# Altium PCB Amplifier.PcbDoc
Units mil, origin at the board's own origin, x right, y up, seen from the top; angles counter-clockwise.
Board outline 2140 x 2155 mil, 2 copper layers (Top Layer, Bottom Layer); 173 components, 119 nets, 471 pads, 50 vias.
Unrouted connection lines stored in the file: 32.
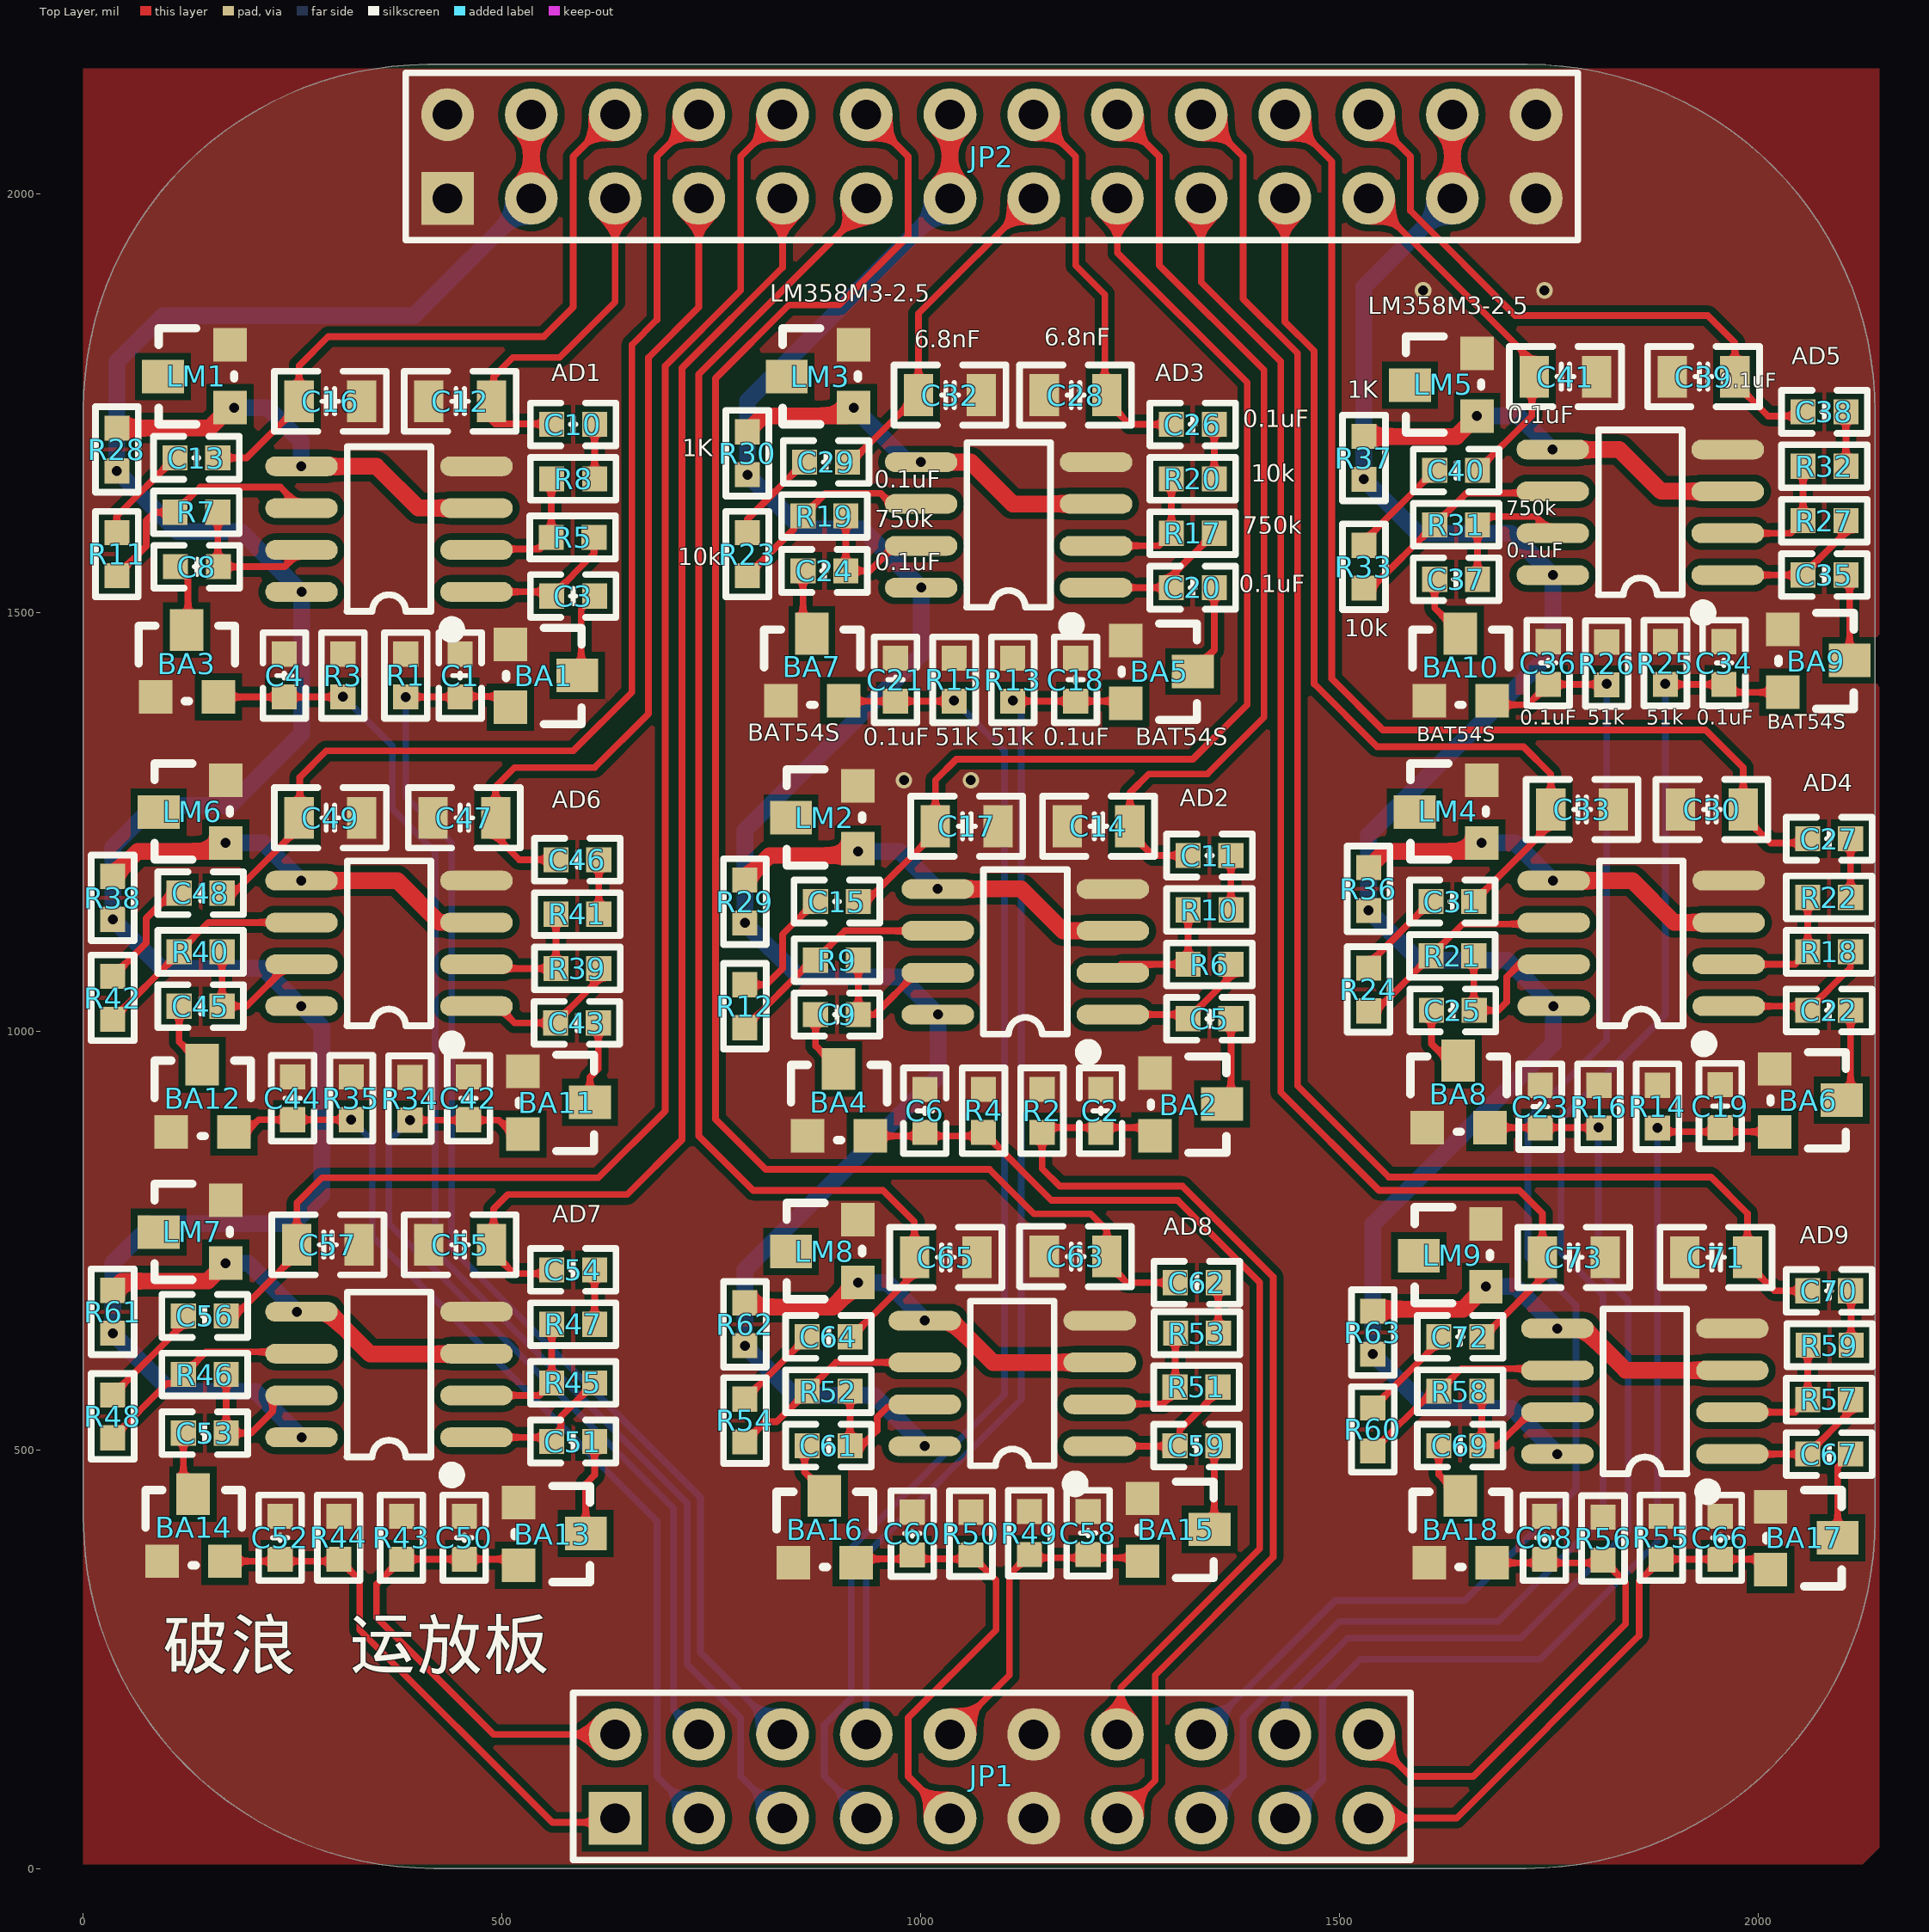
[diagram p0: Top Layer view]
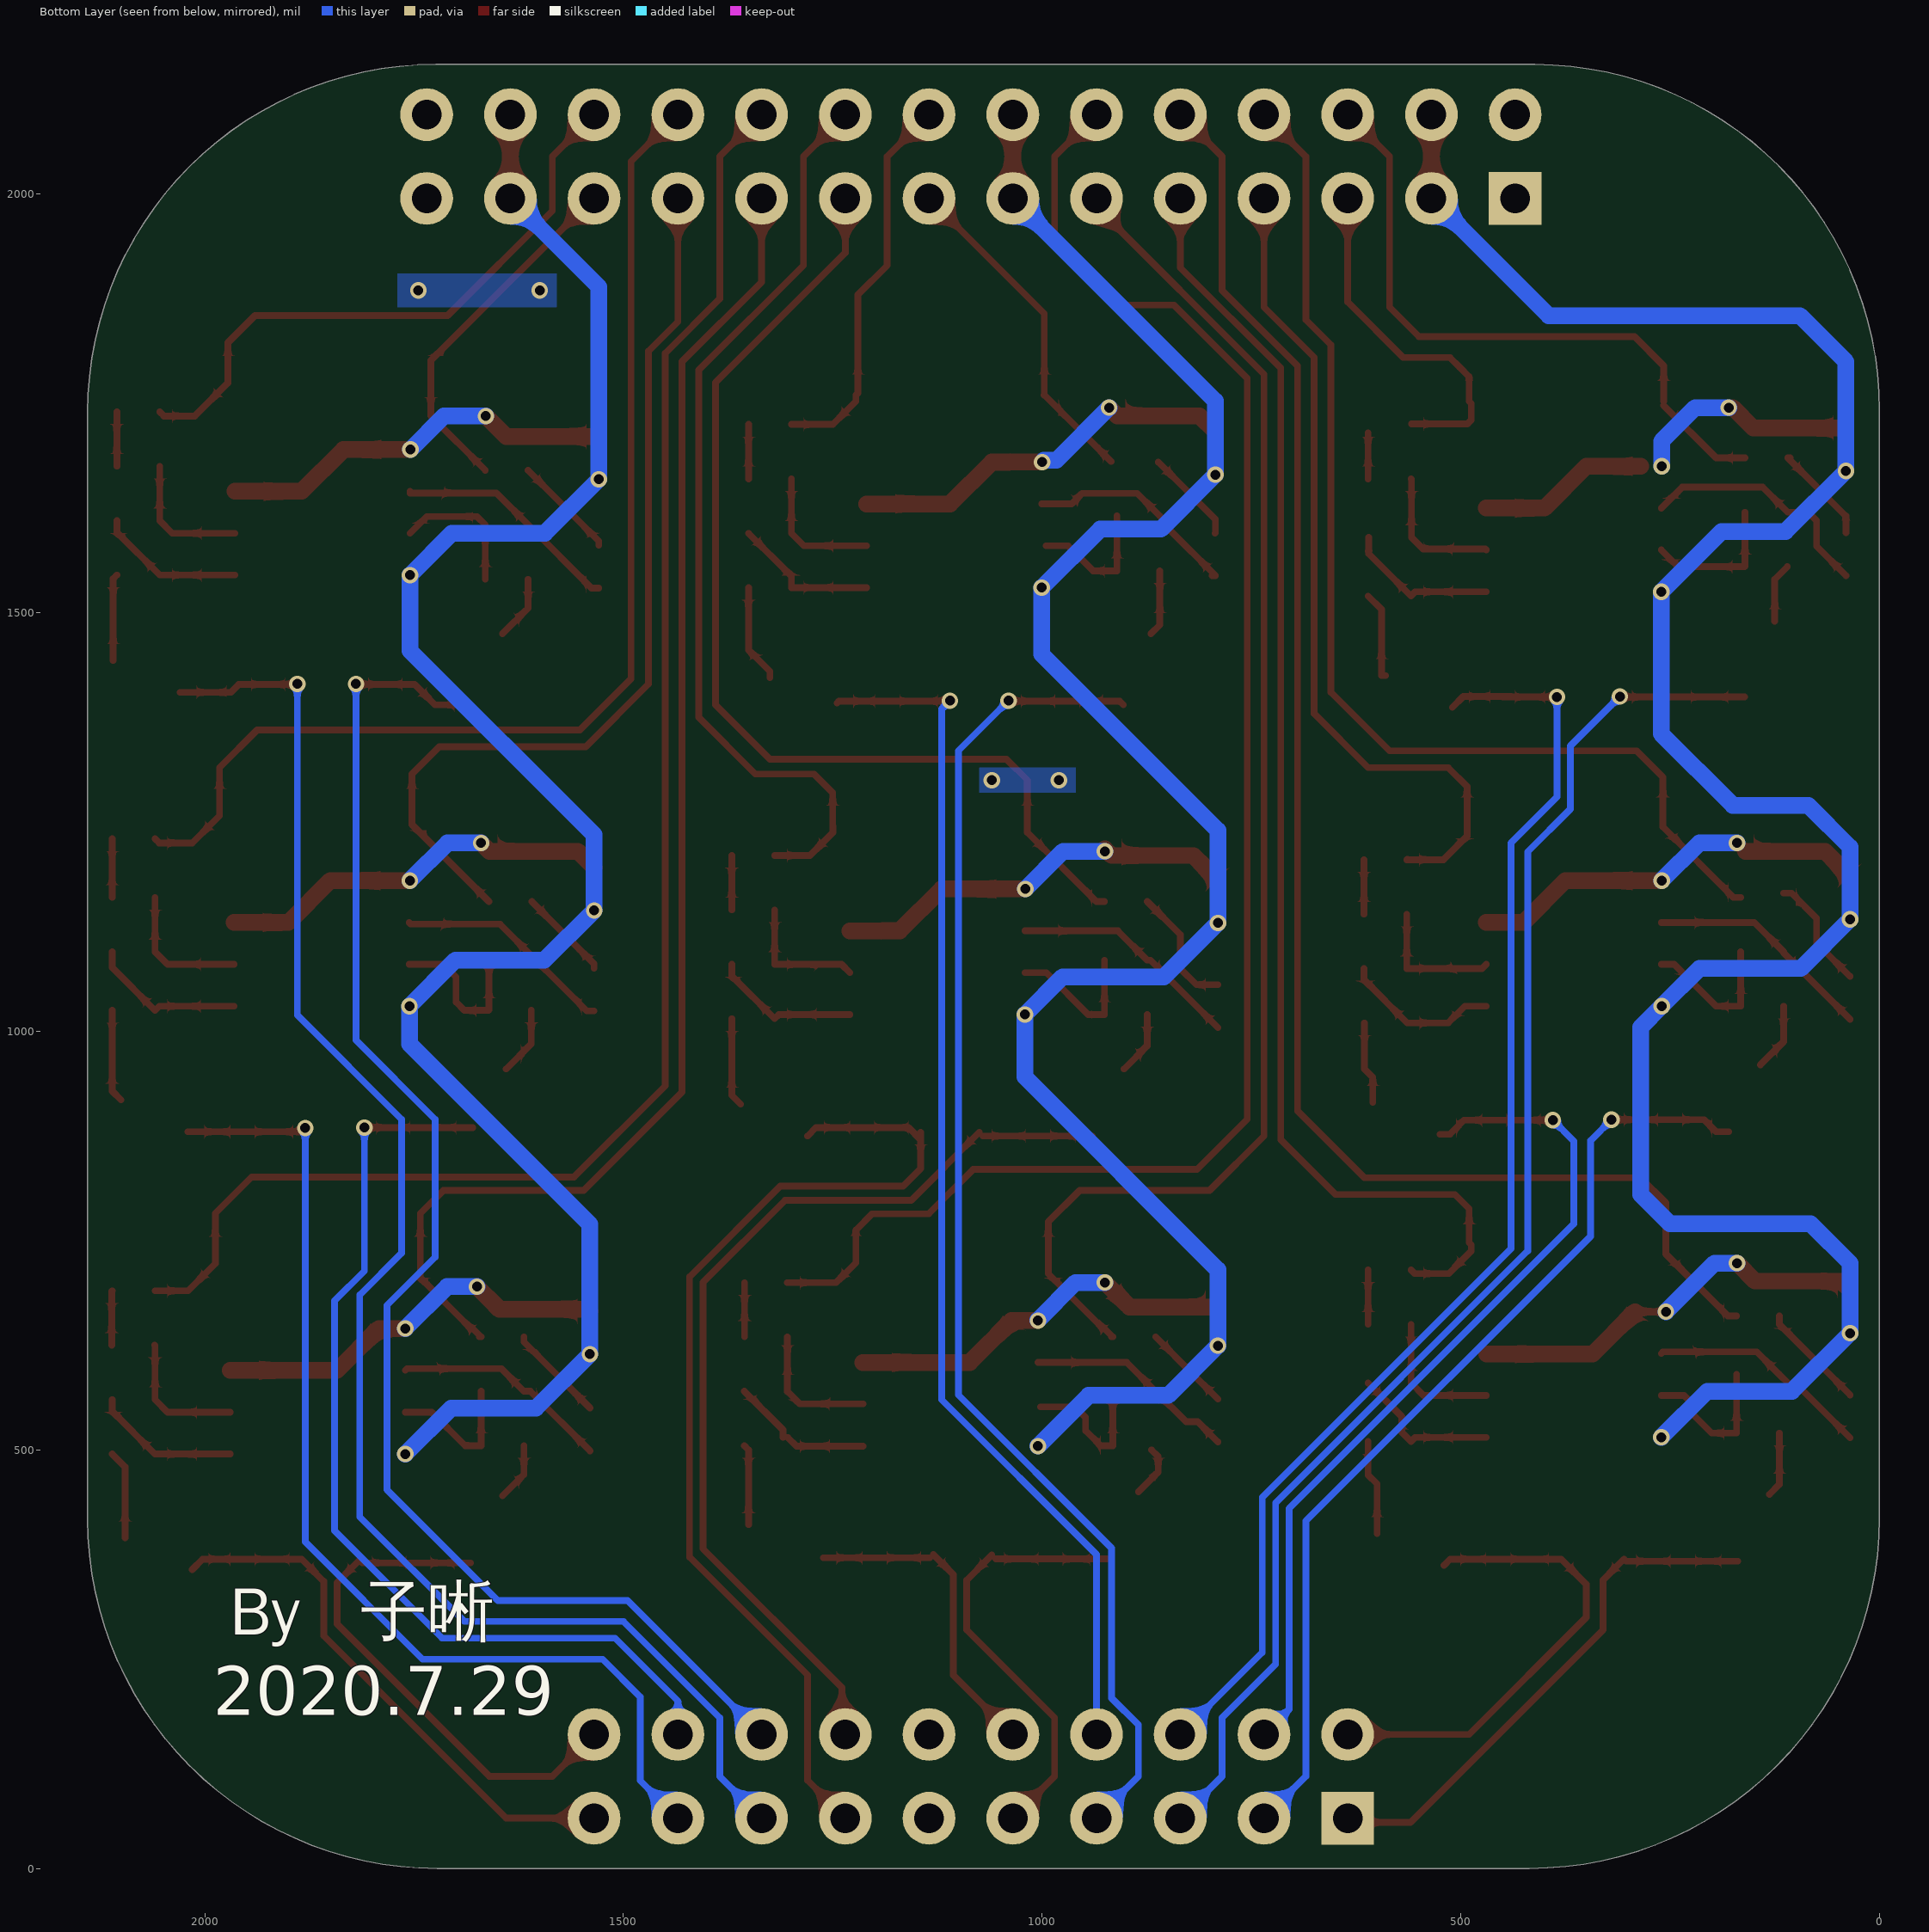
[diagram p1: Bottom Layer view, seen from below]

## Layer stack, top to bottom
Top Solder: solder mask 0.4, Solder Resist, Dk 3.5
Top Layer: signal copper 1.4
Dielectric 1: dielectric 12.6, FR-4, Dk 4.8
Bottom Layer: signal copper 1.4
Bottom Solder: solder mask 0.4, Solder Resist, Dk 3.5

## Board outline
0,418.21 0,1742.84 0,1742.01 cw(c412.16,1742.84) 411.33,2155 412.16,2155 1724.07,2155 cw(c1724.07,1739.06) 2140,1739.06 2140,417.48 cw(c1722.52,417.48) 1722.52,0 418.21,0 cw(c418.21,418.21)

## Design rules (kind name [scope] priority, off if disabled: settings)
Clearance [All] p1: gap=8 ignorepadtopadclearanceinfootprint=FALSE except(0: Arc-Hole Track-Hole SMDPad-Hole THPad-Hole Via-Hole Fill-Hole Poly-Hole Region-Hole Text-Hole)
ComponentClearance [All] p1: gap=10 collisioncheckmode=3 verticalgap=0 showdistances=FALSE
PlaneConnect [All] p1: planeconnectstyle=Direct reliefexpansion=20 reliefentries=4 reliefconductorwidth=10 reliefairgap=10
PolygonConnect [All] p1: connectstyle=Direct reliefconductorwidth=10 reliefentries=4 polygonreliefangle="90 Angle" airgapwidth=10
RoutingVias [All] p1: holewidth=11.81 width=19.68 viastyle="Through Hole" minholewidth=7.87 minwidth=7.87 maxholewidth=19.68 maxwidth=23.62
SilkToSilkClearance [All] p1: silktosilkclearance=0
SilkToSolderMaskClearance [IsPad] p1: minsilkscreentomaskgap=0 clearancetoexposedcopper=TRUE
SolderMaskExpansion [All] p1: expansion=4
Width [All] p1: maxlimit=20 minlimit=6 preferedwidth=8 minimp=50.000000 maximp=50.000000 favimp=50.000000
26 further rules are at their usual default settings.

## Classes and differential pairs
component class Amplifier_2: AD7 AD8 AD9 BA13 BA14 BA15 BA16 BA17 BA18 C50 C51 C52 C53 C54 C55 C56 C57 C58 C59 C60 C61 C62 C63 C64 C65 C66 C67 C68 C69 C70 C71 C72 C73 JP1 JP2 LM7 LM8 LM9 R43 R44 R45 R46 R47 R48 R49 R50 R51 R52 R53 R54 R55 R56 R57 R58 R59 R60 R61 R62 R63
component class Amplifier_1: AD1 AD2 AD3 AD4 AD5 AD6 AD8302 BA1 BA2 BA3 BA4 BA5 BA6 BA7 BA8 BA9 BA10 BA11 BA12 C1 C2 C3 C4 C5 C6 C8 C9 C10 C11 C12 C13 C14 C15 C16 C17 C18 C19 C20 C21 C22 C23 C24 C25 C26 C27 C28 C29 C30 C31 C32 C33 C34 C35 C36 C37 C38 C39 C40 C41 C42 C43 C44 C45 C46 C47 C48 C49 LM1 LM2 LM3 LM4 LM5 LM6 R1 R2 R3 R4 R5 R6 R7 R8 R9 R10 R11 R12 R13 R14 R15 R16 R17 R18 R19 R20 R21 R22 R23 R24 R25 R26 R27 R28 R29 R30 R31 R32 R33 R34 R35 R36 R37 R38 R39 R40 R41 R42

## Components (designator, comment, footprint, x,y, rotation, side; value= is the part's Value field where it differs from the comment)
AD1 "AD8302" SOIC-8 365,1600 r180 top
AD2 "AD8302" SOIC-8 1125,1095 r180 top
AD3 "AD8302" SOIC-8 1105,1605 r180 top
AD4 "AD8302" SOIC-8 1860.51,1105 r180 top
AD5 "AD8302" SOIC-8 1859.41,1620 r180 top
AD6 "AD8302" SOIC-8 365,1105 r180 top
AD7 "AD8302" SOIC-8 365,590 r180 top
AD8 "AD8302" SOIC-8 1109.41,579.41 r180 top
AD9 "AD8302" SOIC-8 1865,570 r180 top
BA1 "BAT54S" SOT23 509.37,1466.88 r270 top
BA2 "BAT54S" SOT23 1279.37,954.88 r270 top
BA3 "BAT54S" SOT23 81.3,1398.78 r0 top
BA4 "BAT54S" SOT23 860.12,874.37 r0 top
BA5 "BAT54S" SOT23 1244.37,1471.88 r270 top
BA6 "BAT54S" SOT23 2019.37,959.88 r270 top
BA7 "BAT54S" SOT23 828.12,1394.37 r0 top
BA8 "BAT54S" SOT23 1600.12,884.37 r0 top
BA9 "BAT54S" SOT23 2028.78,1484.88 r270 top
BA10 "BAT54S" SOT23 1602.53,1394.37 r0 top
BA11 "BAT54S" SOT23 524.37,956.88 r270 top
BA12 "BAT54S" SOT23 100.12,879.37 r0 top
BA13 "BAT54S" SOT23 519.37,441.88 r270 top
BA14 "BAT54S" SOT23 89.3,366.37 r0 top
BA15 "BAT54S" SOT23 1264.37,446.88 r270 top
BA16 "BAT54S" SOT23 843.12,364.37 r0 top
BA17 "BAT54S" SOT23 2014.37,436.88 r270 top
BA18 "BAT54S" SOT23 1602.53,364.37 r0 top
C1 "0.1uF" "C 0603_L" 450,1425 r270 top
C2 "0.1uF" "C 0603_L" 1215,905 r270 top
C3 "0.1uF" "C 0603_L" 585,1520 r0 top
C4 "0.1uF" "C 0603_L" 240,1425 r270 top
C5 "0.1uF" "C 0603_L" 1345,1015 r0 top
C6 "0.1uF" "C 0603_L" 1005,905 r270 top
C8 "0.1uF" "C 0603_L" 135.59,1555 r180 top
C9 "0.1uF" "C 0603_L" 900,1020 r180 top
C10 "0.1uF" "C 0603_L" 585,1725 r0 top
C11 "0.1uF" "C 0603_L" 1345,1210 r0 top
C12 "6.8nF" "C 0805_L" 450,1752.6 r0 top
C13 "0.1uF" "C 0603_L" 135,1685 r0 top
C14 "6.8nF" "C 0805_L" 1212.4,1245.01 r0 top
C15 "0.1uF" "C 0603_L" 900,1155 r0 top
C16 "6.8nF" "C 0805_L" 295,1752.6 r180 top
C17 "6.8nF" "C 0805_L" 1055,1245 r180 top
C18 "0.1uF" "C 0603_L" 1185,1420 r270 top
C19 "0.1uF" "C 0603_L" 1955,910.59 r270 top
C20 "0.1uF" "C 0603_L" 1325,1530 r0 top
C21 "0.1uF" "C 0603_L" 970,1420 r270 top
C22 "0.1uF" "C 0603_L" 2085,1025 r0 top
C23 "0.1uF" "C 0603_L" 1740,910 r270 top
C24 "0.1uF" "C 0603_L" 885,1550 r180 top
C25 "0.1uF" "C 0603_L" 1635.59,1025 r180 top
C26 "0.1uF" "C 0603_L" 1325,1725 r0 top
C27 "0.1uF" "C 0603_L" 2085,1230 r0 top
C28 "6.8nF" "C 0805_L" 1185,1760 r0 top
C29 "0.1uF" "C 0603_L" 887,1680 r0 top
C30 "6.8nF" "C 0805_L" 1945,1265 r0 top
C31 "0.1uF" "C 0603_L" 1635,1155 r0 top
C32 "6.8nF" "C 0805_L" 1035,1760 r180 top
C33 "6.8nF" "C 0805_L" 1790,1265 r180 top
C34 "0.1uF" "C 0603_L" 1959.41,1440 r270 top
C35 "0.1uF" "C 0603_L" 2079.41,1545 r0 top
C36 "0.1uF" "C 0603_L" 1749.41,1440 r270 top
C37 "0.1uF" "C 0603_L" 1639.41,1540 r180 top
C38 "0.1uF" "C 0603_L" 2079.41,1740 r0 top
C39 "6.8nF" "C 0805_L" 1935,1782 r0 top
C40 "0.1uF" "C 0603_L" 1639.41,1670 r0 top
C41 "6.8nF" "C 0805_L" 1770,1782 r180 top
C42 "0.1uF" "C 0603_L" 460,920 r270 top
C43 "0.1uF" "C 0603_L" 589.41,1010 r0 top
C44 "0.1uF" "C 0603_L" 250,920 r270 top
C45 "0.1uF" "C 0603_L" 140,1030 r180 top
C46 "0.1uF" "C 0603_L" 590,1205 r0 top
C47 "6.8nF" "C 0805_L" 455,1255 r0 top
C48 "0.1uF" "C 0603_L" 140,1165 r0 top
C49 "6.8nF" "C 0805_L" 295,1255 r180 top
C50 "0.1uF" "C 0603_L" 455,395 r270 top
C51 "0.1uF" "C 0603_L" 585,510 r0 top
C52 "0.1uF" "C 0603_L" 235,395 r270 top
C53 "0.1uF" "C 0603_L" 145,520 r180 top
C54 "0.1uF" "C 0603_L" 585,715 r0 top
C55 "6.8nF" "C 0805_L" 450,745 r0 top
C56 "0.1uF" "C 0603_L" 145,660 r0 top
C57 "6.8nF" "C 0805_L" 292.01,745 r180 top
C58 "0.1uF" "C 0603_L" 1200,400.59 r270 top
C59 "0.1uF" "C 0603_L" 1329.4,505 r0 top
C60 "0.1uF" "C 0603_L" 990,400 r270 top
C61 "0.1uF" "C 0603_L" 890,505 r180 top
C62 "0.1uF" "C 0603_L" 1329.71,699.71 r0 top
C63 "6.8nF" "C 0805_L" 1185,731 r0 top
C64 "0.1uF" "C 0603_L" 890,635 r0 top
C65 "6.8nF" "C 0805_L" 1030,730 r180 top
C66 "0.1uF" "C 0603_L" 1955,395 r270 top
C67 "0.1uF" "C 0603_L" 2085,495 r0 top
C68 "0.1uF" "C 0603_L" 1745,395 r270 top
C69 "0.1uF" "C 0603_L" 1644.42,505 r180 top
C70 "0.1uF" "C 0603_L" 2085,690 r0 top
C71 "6.8nF" "C 0805_L" 1950,730 r0 top
C72 "0.1uF" "C 0603_L" 1644.41,635 r0 top
C73 "6.8nF" "C 0805_L" 1780,730 r180 top
JP1 "Header 2X10" HDR2.54-LI-2x10P 1085,110 r0 top
JP2 "Header 2X11" HDR2.54-LI-2x14P 1085,2045 r0 top
LM1 "LM358M3-2.5" SOT23 175.63,1740.12 r90 top
LM2 "LM358M3-2.5" SOT23 925.63,1213.12 r90 top
LM3 "LM358M3-2.5" SOT23 920.63,1740.12 r90 top
LM4 "LM358M3-2.5" SOT23 1670.63,1220.12 r90 top
LM5 "LM358M3-2.5" SOT23 1665.04,1730.12 r90 top
LM6 "LM358M3-2.5" SOT23 170.63,1220.12 r90 top
LM7 "LM358M3-2.5" SOT23 170.63,718.11 r90 top
LM8 "LM358M3-2.5" SOT23 925.63,695.12 r90 top
LM9 "LM358M3-2.5" SOT23 1675.63,690.11 r90 top
R1 "51k" "R 0603_L" 385,1425 r270 top
R2 "51k" "R 0603_L" 1145,905 r270 top
R3 "51k" "R 0603_L" 310,1425 r270 top
R4 "51k" "R 0603_L" 1075,905 r270 top
R5 "750k" "R 0603_L" 584.41,1590 r0 top
R6 "750k" "R 0603_L" 1345,1080 r0 top
R7 "750k" "R 0603_L" 135,1620 r180 top
R8 "10k" "R 0603_L" 585,1660 r180 top
R9 "750k" "R 0603_L" 900,1085 r180 top
R10 "10k" "R 0603_L" 1345,1145 r180 top
R11 "10k" "R 0603_L" 40,1570 r90 top
R12 "10k" "R 0603_L" 790,1030 r90 top
R13 "51k" "R 0603_L" 1110,1420 r270 top
R14 "51k" "R 0603_L" 1880,910 r270 top
R15 "51k" "R 0603_L" 1040,1420 r270 top
R16 "51k" "R 0603_L" 1810,910 r270 top
R17 "750k" "R 0603_L" 1325,1595 r0 top
R18 "750k" "R 0603_L" 2085,1095 r0 top
R19 "750k" "R 0603_L" 885,1615.59 r180 top
R20 "10k" "R 0603_L" 1325,1660 r180 top
R21 "750k" "R 0603_L" 1635,1090 r180 top
R22 "10k" "R 0603_L" 2085,1160 r180 top
R23 "10k" "R 0603_L" 793,1570 r90 top
R24 "10k" "R 0603_L" 1535,1050 r90 top
R25 "51k" "R 0603_L" 1889.41,1440 r270 top
R26 "51k" "R 0603_L" 1819.41,1439.41 r270 top
R27 "750k" "R 0603_L" 2079.41,1610 r0 top
R28 "1K" "R 0603_L" 40,1695 r90 top
R29 "1K" "R 0603_L" 790,1155 r90 top
R30 "1K" "R 0603_L" 793,1690.6 r90 top
R31 "750k" "R 0603_L" 1639.41,1605 r180 top
R32 "10k" "R 0603_L" 2079.41,1675 r180 top
R33 "10k" "R 0603_L" 1529.41,1555 r90 top
R34 "51k" "R 0603_L" 390,919.41 r270 top
R35 "51k" "R 0603_L" 320,920 r270 top
R36 "1K" "R 0603_L" 1535,1170 r90 top
R37 "1K" "R 0603_L" 1529.41,1685 r90 top
R38 "1K" "R 0603_L" 35,1159.41 r90 top
R39 "750k" "R 0603_L" 590,1075 r0 top
R40 "750k" "R 0603_L" 140,1095 r180 top
R41 "10k" "R 0603_L" 590,1140 r180 top
R42 "10k" "R 0603_L" 35,1040 r90 top
R43 "51k" "R 0603_L" 380,395 r270 top
R44 "51k" "R 0603_L" 305,395 r270 top
R45 "750k" "R 0603_L" 585,580 r0 top
R46 "750k" "R 0603_L" 145,590 r180 top
R47 "10k" "R 0603_L" 585,650 r180 top
R48 "10k" "R 0603_L" 35,540 r90 top
R49 "51k" "R 0603_L" 1130,400.59 r270 top
R50 "51k" "R 0603_L" 1060,400 r270 top
R51 "750k" "R 0603_L" 1329.4,575 r0 top
R52 "750k" "R 0603_L" 890,570 r180 top
R53 "10k" "R 0603_L" 1330,639.4 r180 top
R54 "10k" "R 0603_L" 790,535 r90 top
R55 "51k" "R 0603_L" 1884.41,395 r270 top
R56 "51k" "R 0603_L" 1815,394 r270 top
R57 "750k" "R 0603_L" 2085,560 r0 top
R58 "750k" "R 0603_L" 1644.41,570 r180 top
R59 "10k" "R 0603_L" 2085.59,625 r180 top
R60 "10k" "R 0603_L" 1540,524.41 r90 top
R61 "1K" "R 0603_L" 35,665 r90 top
R62 "1K" "R 0603_L" 790.01,649.99 r90 top
R63 "1K" "R 0603_L" 1540,640 r90 top

## Footprints (in the part's own frame and the unit in brackets; to place one, negate y for a bottom-side part, rotate by r counter-clockwise, add the part's x,y. Pads: shape width x height; smd on the part's side, far side on the other; paste and mask are expansions set on the pad)
"C 0603_L" [mil] "无极性贴片电容                                       淘宝ID:黄晶宝石"
  rect 30x30 smd: 1(-25.59,0) 2(25.59,0)
  silkscreen extent -51,-26 51,26, body extent -31,-16 31,16, height 32
"C 0805_L" [mil] "无极性贴片电容                                        淘宝ID:黄晶宝石"
  rect 35x50 smd: 1(-37.4,0) 2(37.4,0)
  silkscreen extent -67,-36 67,36, body extent -39,-24 39,24, height 20
HDR2.54-LI-2x10P [mm] "双排排针，10x2脚 淘宝ID:黄晶宝石   店铺网址:https://shop463601444.taobao.com"
  rect 1.6x1.6 hole 0.9: 1(-11.43,-1.27)
  round 1.6 hole 0.9: 2(-11.43,1.27) 3(-8.89,-1.27) 4(-8.89,1.27) 5(-6.35,-1.27) 6(-6.35,1.27) 7(-3.81,-1.27) 8(-3.81,1.27) 9(-1.27,-1.27) 10(-1.27,1.27) 11(1.27,-1.27) 12(1.27,1.27) 13(3.81,-1.27) 14(3.81,1.27) 15(6.35,-1.27) 16(6.35,1.27) 17(8.89,-1.27) 18(8.89,1.27) 19(11.43,-1.27) 20(11.43,1.27)
  silkscreen extent -12.7,-2.54 12.7,2.54, body extent -12.7,-2.54 12.7,2.54, height 8.5
HDR2.54-LI-2x14P [mm] "双排排针，14x2脚 淘宝ID:黄晶宝石   店铺网址:https://shop463601444.taobao.com"
  rect 1.6x1.6 hole 0.9: 1(-16.51,-1.27)
  round 1.6 hole 0.9: 2(-16.51,1.27) 3(-13.97,-1.27) 4(-13.97,1.27) 5(-11.43,-1.27) 6(-11.43,1.27) 7(-8.89,-1.27) 8(-8.89,1.27) 9(-6.35,-1.27) 10(-6.35,1.27) 11(-3.81,-1.27) 12(-3.81,1.27) 13(-1.27,-1.27) 14(-1.27,1.27) 15(1.27,-1.27) 16(1.27,1.27) 17(3.81,-1.27) 18(3.81,1.27) 19(6.35,-1.27) 20(6.35,1.27) 21(8.89,-1.27) 22(8.89,1.27) 23(11.43,-1.27) 24(11.43,1.27) 25(13.97,-1.27) 26(13.97,1.27) 27(16.51,-1.27) 28(16.51,1.27)
  silkscreen extent -17.78,-2.54 17.78,2.54, body extent -17.78,-2.54 17.78,2.54, height 8.5
"R 0603_L" [mil] "1/10W贴片电阻                 淘宝ID:黄晶宝石"
  rect 30x30 smd: 1(-25.59,0) 2(25.59,0)
  silkscreen extent -51,-26 51,26, body extent -31,-16 32,16, height 16
SOIC-8 [mm] "封装库来自淘宝卖家 ID：黄晶宝石，其他均为盗版"
  oval 2.2x0.6 smd: 1(-2.654,1.905) 2(-2.654,0.635) 3(-2.654,-0.635) 4(-2.654,-1.905) 5(2.654,-1.905) 6(2.654,-0.635) 7(2.654,0.635) 8(2.654,1.905)
  silkscreen extent -2.06,-2.5 1.27,3.2, body extent -3,-2.5 3,2.5, height 1.9
SOT23 [mil] "封装库来自淘宝卖家 ID：黄晶宝石"
  rect 40x40 smd: 1(4.88,0.63) 2(79.88,0.63)
  rect 40x50 smd: 3(41.88,80.63)
  silkscreen extent -15,-4 100,86, body extent -15,-11 99,99, height 47

## Part data
C1 C2 C3 C4 C5 C6 C8 C9 C10 C11 C12 C13 C14 C15 C16 C17 C18 C19 C20 C21 C22 C23 C24 C25 C26 C27 C28 C29 C30 C31 C32 C33 C34 C35 C36 C37 C38 C39 C40 C41 C42 C43 C44 C45 C46 C47 C48 C49 C50 C51 C52 C53 C54 C55 C56 C57 C58 C59 C60 C61 C62 C63 C64 C65 C66 C67 C68 C69 C70 C71 C72 C73: library part C, "贴片电容"
JP1: library part "Header 10X2", "10*2P接插件"
JP2: library part "Header 14X2", "14*2P接插件"
R1 R2 R3 R4 R5 R6 R7 R8 R9 R10 R11 R12 R13 R14 R15 R16 R17 R18 R19 R20 R21 R22 R23 R24 R25 R26 R27 R28 R29 R30 R31 R32 R33 R34 R35 R36 R37 R38 R39 R40 R41 R42 R43 R44 R45 R46 R47 R48 R49 R50 R51 R52 R53 R54 R55 R56 R57 R58 R59 R60 R61 R62 R63: library part R, "贴片电阻"

## Via types
v1: diameter 19.68, hole 11.81, Top Layer to Bottom Layer, 50 vias

## Nets (pads, with @x,y where several pads share a name; then routed paths per layer and width w, separated by ;. In a path a pad name is that pad's centre, name@x,y a point inside that pad or via, vN(x,y) a via of type N, cw(c..) or ccw(c..) an arc to the next point about the centre after c; other vN are vias at no path point)
AD_2V5_1: AD1.3 AD1.5 LM1.1 R28.2 | length 476.9
  Top Layer w20: R28.2 150.59,1720.59 LM1.1 ; AD1.5@285,1675 350,1675 400,1625 AD1.3
  Bottom Layer w20: v1(180,1745) 220,1745 260,1705 v1(260,1675)
AD_2V5_2: AD2.3 AD2.5 LM2.1 R29.2 | length 493.8
  Top Layer w20: R29.2 819.42,1210 917,1210 LM2.1 ; AD2.5 1120,1170 1170,1120 AD2.3
  Bottom Layer w20: v1(925,1215) 975,1215 v1(1020,1170)
AD_2V5_3: AD3.3 AD3.5 LM3.1 R30.2 | length 475.5
  Top Layer w20: R30.2 812.06,1735.25 910.25,1735.25 v1(920,1745) ; AD3.5 1060,1680 1110,1630 AD3.3
  Bottom Layer w8: v1@997.76,1682.24 v1(1000,1680)
  Bottom Layer w20: v1(920,1745) 982.76,1682.24 v1@997.76,1682.24
AD_2V5_4: AD4.3 AD4.5 LM4.1 R36.2 | length 480.5
  Top Layer w20: R36.2 1554.42,1215 1660,1215 v1(1670,1225) ; AD4.5 1850,1180 1900,1130 AD4.3
  Bottom Layer w20: v1(1670,1225) 1710,1225 v1(1755,1180)
AD_2V5_5: AD5.3 AD5.5 LM5.1 R37.2 | length 481.4
  Top Layer w20: R37.2 1640,1710.59 v1(1664.41,1735) ; AD5.5 1834.41,1695 1884.41,1645 AD5.3
  Bottom Layer w20: v1(1664.41,1735) 1714.41,1735 v1(1754.41,1695)
AD_2V5_6: AD6.3 AD6.5 LM6.1 R38.2 | length 489.9
  Top Layer w8: LM6.1@160,1215 v1(170,1225)
  Top Layer w20: R38.2 65,1215 LM6.1@160,1215 ; AD6.5 375,1180 425,1130 AD6.3
  Bottom Layer w20: v1(170,1225) 215,1225 v1(260,1180)
AD_2V5_7: AD7.3 AD7.5 LM7.1 R61.2 | length 487.6
  Top Layer w8: AD7.5 AD7.5@292.01,665 ; AD7.3@468.9,614.41 AD7.3
  Top Layer w20: R61.2 46.01,701.58 148.59,701.58 v1(170,723) ; AD7.5@292.01,665 342.6,614.41 AD7.3@468.9,614.41
  Bottom Layer w20: v1(170,723) 197,723 v1(255,665)
AD_2V5_8: AD8.3 AD8.5 LM8.1 R62.2 | length 475.5
  Top Layer w20: R62.2@790,670.59 895.59,670.59 v1(925,700) ; v1(1004.92,654.41) 1036.42,654.41 1086.42,604.41 AD8.3
  Bottom Layer w20: v1(925,700) 960,700 v1@1005,655
AD_2V5_9: AD9.3 AD9.5 LM9.1 R63.2 | length 483.1
  Top Layer w20: R63.2 1542.41,668 1648,668 v1(1675,695) ; v1(1760.51,645) 1792.01,645 1842.01,595 AD9.3
  Bottom Layer w20: v1(1675,695) 1710.52,695 v1(1760.51,645)
AMPLIFIER_5V: AD1.8 AD2.8 AD3.8 AD4.8 AD5.8 AD6.8 AD7.8 AD8.8 AD9.8 JP2.3 JP2.4 JP2.13 JP2.14 JP2.25 JP2.26 R28.1 R29.1 R30.1 R36.1 R37.1 R38.1 R61.1 R62.1 R63.1 | length 7371.6
  Top Layer w20: JP2.3 JP2.4 ; JP2.13 JP2.14 ; JP2.25 JP2.26
  Bottom Layer w20: v1(260.51,515) 205.51,570 104.41,570 v1(35.01,639.4) 35.01,723 82,770 250,770 285,805 285,1005 v1(260,1030) 215,1075 93.82,1075 v1(35,1133.82) 35,1220 85,1270 175,1270 260.51,1355.51 v1(260.51,1525) 188.31,1597.2 112.21,1597.2 v1(40,1669.41) 40,1800 95,1855 395,1855 JP2.3 ; v1(1004.92,504.41) 944.33,565 849.4,565 v1(790.01,624.39) 790.01,715.01 1020.51,945.51 v1(1020.51,1020) 975.51,1065 854.41,1065 v1(790,1129.41) 790,1240 1000.51,1450.51 v1(1000.51,1530) 930.51,1600 858,1600 v1(793,1665) 793,1753 JP2.13 ; JP2.25 1529.41,1889.41 v1(1529.41,1659.41) 1593.82,1595 1704.92,1595 v1(1754.92,1545) 1754.92,1454.66 1535,1234.74 v1(1535,1144.41) 1594.41,1085 1700.51,1085 v1(1755.51,1030) 1755.51,984.92 1540,769.41 v1(1540,614.41) 1604.41,550 1705.51,550 v1(1760.51,495)
AN1: BA1.2 C1.2 JP1.6 R1.2 | length 1566.2
  Top Layer w8: v1(385,1399.41) C1.2 ; C1.2@440,1400 497,1400 BA1.2
  Bottom Layer w8: v1(385,1399.41) 385,1280 440,1225 440,740.25 737,443.25 737,258 JP1.6
AN2: BA3.2 C4.2 JP1.5 R3.2 | length 1706.3
  Top Layer w8: BA3.2 C4.2 R3.2
  Bottom Layer w8: v1(310,1400) 369,1341 369,1265.42 420,1214.41 420,737.63 721,436.63 721,244 785,180 785,110 JP1.5
AN3: BA5.2 C18.2 JP1.8 R13.2 | length 1451.8
  Top Layer w8: R13.2 C18.2 1242.59,1394.41 BA5.2
  Bottom Layer w8: JP1.8 935,375 1120,560 1120,1385 v1(1110,1395)
AN4: BA7.2 C21.2 JP1.7 R15.2 | length 1608.4
  Top Layer w8: BA7.2@903,1390 907.41,1394.41 C21.2 R15.2
  Bottom Layer w8: JP1.7 885,110 885,171.51 916.98,203.5 916.98,382.66 1100,565.67 1100,1335 v1(1040,1395)
AN5: BA9.2 C34.2 JP1.15 R25.2 | length 1881.3
  Top Layer w8: R25.2 C34.2 1968.82,1405 BA9.2
  Bottom Layer w8: JP1.15 1385,110 1385,180 1500,295 1690,295 1815,420 1815,685 1765,735 1765,895 1889.41,1019.41 v1(1889.41,1415)
AN6: BA10.2 C36.2 JP1.16 R26.2 | length 1739.4
  Top Layer w8: BA10.2@1684.41,1390 1724.99,1390 C36.2 1818.82,1414.41 R26.2
  Bottom Layer w8: JP1.16 1495,320 1650,320 1782.51,452.51 1782.51,672.49 1725,730 1725,895 1819.41,989.41 v1(1819.41,1415)
AN7: BA11.2 C42.2 JP1.4 R34.2 | length 1039.4
  Top Layer w8: v1(390,893.82) 496.18,893.82 513,877 BA11.2
  Bottom Layer w8: v1(390,893.82) 365,868.82 365,770 705,430 705,190 JP1.4
AN8: BA12.2 C44.2 JP1.3 R35.2 | length 1152.3
  Top Layer w8: BA12.2 195,880 209.41,894.41 C44.2 v1(320,894.41)
  Bottom Layer w8: v1(320,894.41) 345,869.41 345,755 685,415 685,110 JP1.3
AN9: BA2.2 C2.2 JP1.13 R2.2 | length 1241.8
  Top Layer w8: R2.2@1145,870.59 1159.41,885 1270,885 BA2.2 ; R2.2 1145,836 1166,815 1312.63,815 1421,706.63 1421,372 1280,231 1280,105 JP1.13
AN10: BA4.2 C6.2 JP1.14 R4.2 | length 1145.3
  Top Layer w8: BA4.2 R4.2@1070.58,875 ; R4.2 1156.41,798 1307,798 1405,700 1405,382 1239.09,216.09 1239.09,164.09 JP1.14
AN11: BA6.2 C19.2 JP1.17 R14.2 | length 1276.5
  Top Layer w8: v1(1880,884.41) 1884.41,880 BA6.2
  Bottom Layer w8: JP1.17 1480,105 1480,205 1525,250 1740,250 1880,390 v1(1880,884.41)
AN12: BA8.2 C23.2 JP1.18 R16.2 | length 1160.8
  Top Layer w8: BA8.2 v1(1809.41,885) R16.2
  Bottom Layer w8: JP1.18 1435,200 1510,275 1716.5,275 1845,403.5 1845,678.12 1809.41,713.71 v1(1809.41,885)
AN13: BA13.2 C50.2 JP1.2 R43.2 | length 567.9
  Top Layer w8: BA13.2 512.59,369.41 C50.2 R43.2 350,339.41 350,300 490,160 JP1.2
AN14: BA14.2 C52.2 JP1.1 R44.2 | length 633.9
  Top Layer w8: BA14.2 302.58,367 R44.2 330,344.41 330,285 560,55 630,55 JP1.1
AN15: BA15.2 C58.2 JP1.10 R49.2 | length 381.4
  Top Layer w8: JP1.10 1106,231 1106,351.01 R49.2 ; R49.2@1134,371 BA15.2@1261,371
AN16: BA16.2 C60.2 JP1.9 R50.2 | length 523.3
  Top Layer w8: BA16.2@923,369.71 R50.2@1055.29,369.71 ; JP1.9 985,110 985,180 1090,285 1090,344.41 R50.2
AN17: BA17.2 C66.2 JP1.19 R55.2 | length 651.4
  Top Layer w8: JP1.19 1640,60 1858.01,278.01 1858.01,343.01 R55.2 C66.2 2002.59,369.41 BA17.2
AN18: BA18.2 C68.2 JP1.20 R56.2 | length 619.9
  Top Layer w8: JP1.20 1585,110 1660,110 1842.01,292.01 1842.01,341.4 R56.2 ; BA18.2 R56.2@1811.59,365
NetAD1_1: AD1.1 C3.1 R5.2 | length 182.9
  Top Layer w8: AD1.1 554.4,1525 C3.1 610,1570.6 R5.2
NetAD1_2: AD1.2 R5.1 R8.2 | length 165.8
  Top Layer w8: AD1.2 470.67,1576.18 545,1576.18 R5.1 558.82,1659.41 R8.2
NetAD1_6: AD1.6 R7.2 R11.1 | length 292.5
  Top Layer w8: R11.1 75,1579.4 75,1610 85,1620 R7.2 139.41,1650 235.51,1650 AD1.6
NetAD1_7: AD1.7 C8.1 R7.1 | length 172.9
  Top Layer w8: R7.1 160.59,1555.59 C8.1 240.51,1555 AD1.7
NetAD2_1: AD2.1 C5.1 R6.2 | length 178.2
  Top Layer w8: AD2.1 1314.4,1020 C5.1 1370.59,1066.18 R6.2
NetAD2_2: AD2.2 R6.1 R10.2 | length 159.1
  Top Layer w8: AD2.2 1239.49,1080 R6.1 R10.2
NetAD2_6: AD2.6 R9.2 R12.1 | length 278.4
  Top Layer w8: R12.1 870.6,1085 R9.2 909.41,1120 AD2.6
NetAD2_7: AD2.7 C9.1 R9.1 | length 180.6
  Top Layer w8: R9.1 C9.1 945,1020 995,1070 AD2.7
NetAD3_1: AD3.1 C20.1 R17.2 | length 176.1
  Top Layer w8: AD3.1 C20.1 1299.41,1543.82 R17.2
NetAD3_2: AD3.2 R17.1 R20.2 | length 161.1
  Top Layer w8: AD3.2 1284.41,1580 R17.1 R20.2
NetAD3_6: AD3.6 R19.2 R23.1 | length 260
  Top Layer w8: R23.1@796.82,1544.41 R23.1 848.41,1599.82 848.41,1604.6 R19.2 886.41,1642.6 952.19,1642.6 964.79,1630 AD3.6
NetAD3_7: AD3.7 C24.1 R19.1 | length 162.4
  Top Layer w8: R19.1 C24.1 939.02,1550 969.02,1580 AD3.7@995,1580
NetAD4_1: AD4.1 C22.1 R18.2 | length 187.7
  Top Layer w8: AD4.1 2054.4,1030 C22.1 2110.59,1076.18 R18.2
NetAD4_2: AD4.2 R18.1 R22.2 | length 165.6
  Top Layer w8: AD4.2 2044.41,1080 R18.1 R22.2
NetAD4_6: AD4.6 R21.2 R24.1 | length 264.8
  Top Layer w8: R24.1 1543.82,1024.41 R21.2 1647.41,1128 1754.02,1128 AD4.6
NetAD4_7: AD4.7 C25.1 R21.1 | length 200.4
  Top Layer w8: R21.1 1660.59,1025.59 C25.1 1690,1025 1700,1035 1700,1065 1715,1080 AD4.7
NetAD5_1: AD5.1 C35.1 R27.2 | length 176.1
  Top Layer w8: AD5.1 C35.1 2105,1596.18 R27.2
NetAD5_2: AD5.2 R27.1 R32.2 | length 161.1
  Top Layer w8: AD5.2 2038.82,1595 R27.1 R32.2
NetAD5_6: AD5.6 R31.2 R33.1 | length 274.6
  Top Layer w8: R33.1 1538.22,1529.41 R31.2 1651.82,1643 1754.92,1643 AD5.6
NetAD5_7: AD5.7 C37.1 R31.1 | length 167.3
  Top Layer w8: C37.1 R31.1 1675,1615 1734.92,1615 AD5.7
NetAD6_1: AD6.1 C43.1 R39.2 | length 189.1
  Top Layer w8: AD6.1 495,1030 515,1010 C43.1 615.59,1061.77 R39.2
NetAD6_2: AD6.2 R39.1 R41.2 | length 162
  Top Layer w8: AD6.2 474.49,1075 R39.1 R41.2
NetAD6_6: AD6.6 R40.2 R42.1 | length 274.1
  Top Layer w8: R42.1 114.41,1093.82 R40.2 149.41,1130 AD6.6
NetAD6_7: AD6.7 C45.1 R40.1 | length 180.6
  Top Layer w8: R40.1 C45.1 195,1030 245,1080 AD6.7
NetAD7_1: AD7.1 C51.1 R45.2 | length 183.2
  Top Layer w8: AD7.1 554.4,515 C51.1 570.41,520.99 570.41,539.81 R45.2
NetAD7_2: AD7.2 R45.1 R47.2 | length 166.1
  Top Layer w8: AD7.2 544.41,565 R45.1 R47.2
NetAD7_6: AD7.6 R46.2 R48.1 | length 268.8
  Top Layer w8: R48.1 99.6,579 108.41,579 R46.2 146.41,617 258.51,617 AD7.6
NetAD7_7: AD7.7 C53.1 R46.1 | length 185.6
  Top Layer w8: R46.1 C53.1 200.31,520 226.03,545.71 226.03,557.78 233.24,565 AD7.7
NetAD8_1: AD8.1 C59.1 R51.2 | length 168.4
  Top Layer w8: AD8.1 1293.22,504.41 C59.1@1303.82,515 ; C59.1@1309.41,515 1309.41,523.82 R51.2@1355.59,570
NetAD8_2: AD8.2 R51.1 R53.2 | length 160.6
  Top Layer w8: AD8.2@1213.98,555 1289.41,555 R51.1@1304.11,569.7 ; R51.1@1304.11,570.29 R53.2@1304.11,634.71
NetAD8_6: AD8.6 R52.2 R54.1 | length 254.3
  Top Layer w8: R54.1 814.18,533.59 828,533.59 R52.2 898.82,604.41 AD8.6
NetAD8_7: AD8.7 C61.1 R52.1 | length 179.8
  Top Layer w8: R52.1 C61.1 930,505 948,523 948,538.71 960.7,551.42 AD8.7@1001.93,551.42
NetAD9_1: AD9.1 C67.1 R57.2 | length 176.1
  Top Layer w8: AD9.1 C67.1 2110.59,546.18 R57.2
NetAD9_2: AD9.2 R57.1 R59.2 | length 161.4
  Top Layer w8: AD9.2 2044.41,545 R57.1 2059.41,624.41 R59.2
NetAD9_6: AD9.6 R58.2 R60.1 | length 262
  Top Layer w8: R60.1 1611.19,570 R58.2 1645.82,597 1758.51,597 AD9.6
NetAD9_7: AD9.7 C69.1 R58.1 | length 172.1
  Top Layer w8: R58.1 C69.1 1689.02,505 1729.02,545 AD9.7
NetBA1_3: BA1.3 C3.2 | length 106.2
  Top Layer w8: BA1.3 594.59,1425 594.59,1504 C3.2
NetBA2_3: BA2.3 C5.2 | length 106.4
  Top Layer w8: BA2.3 1370.59,923.59 C5.2
NetBA3_3: BA3.3 C8.2 | length 71.2
  Top Layer w8: C8.2 125,1540 BA3.3@125,1490
NetBA4_3: BA4.3 C9.2 | length 76.4
  Top Layer w8: C9.2 874.41,982.59 BA4.3
NetBA5_3: BA5.3 C20.2 | length 115.6
  Top Layer w8: BA5.3@1325,1422.5 BA5.3@1325,1427.5 ; BA5.3 1350.59,1455.59 C20.2
NetBA6_3: BA6.3 C22.2 | length 111.4
  Top Layer w8: BA6.3 2110.59,928.59 C22.2
NetBA7_3: BA7.3 C24.2 | length 79.4
  Top Layer w8: C24.2 859.41,1485.59 BA7.3
NetBA8_3: BA8.3 C25.2 | length 82.4
  Top Layer w8: C25.2 1610,985 BA8.3@1640,955
NetBA9_3: BA9.3 C35.2 | length 103.8
  Top Layer w8: C35.2 2109.41,1540.58 BA9.3
NetBA10_3: BA10.3 C37.2 | length 77.7
  Top Layer w8: C37.2 1613.82,1505.59 BA10.3
NetBA11_3: BA11.3 C43.2 | length 99.1
  Top Layer w8: BA11.3 605,945 615,955 C43.2
NetBA12_3: BA12.3 C45.2 | length 81.4
  Top Layer w8: C45.2 114.41,987.59 BA12.3
NetBA13_3: BA13.3 C51.2 | length 114.4
  Top Layer w8: BA13.3 600,459.41 610.59,470 C51.2
NetBA14_3: BA14.3 C53.2 | length 77.9
  Top Layer w8: C53.2 119.41,458.77 BA14.3
NetBA15_3: BA15.3 C59.2 | length 96.5
  Top Layer w8: BA15.3@1350.59,410.59 1350.59,500 C59.2@1355.59,505
NetBA16_3: BA16.3 C61.2 | length 63.1
  Top Layer w8: C61.2@869.41,500 861.41,492 861.41,473.59 BA16.3@885,450
NetBA17_3: BA17.3 C67.2 | length 106.6
  Top Layer w8: BA17.3 2095.18,395 2095.18,479.59 C67.2
NetBA18_3: BA18.3 C69.2 | length 70.6
  Top Layer w8: C69.2 1618.83,470.58 BA18.3
NetC10_2: C10.2 R8.1 | length 55
  Top Layer w8: R8.1 C10.2@610.59,1714.99
NetC11_2: C11.2 R10.1 | length 65
  Top Layer w8: R10.1 C11.2
NetC13_1: C13.1 R11.2 | length 120.8
  Top Layer w8: R11.2 40,1615.59 C13.1 C13.1@106.77,1685
NetC15_1: C15.1 R12.2 | length 149.4
  Top Layer w8: R12.2 815.59,1055.59 835,1075 835,1115.59 C15.1
NetC26_2: C26.2 R20.1 | length 65
  Top Layer w8: R20.1 C26.2
NetC27_2: C27.2 R22.1 | length 70
  Top Layer w8: R22.1 C27.2
NetC29_1: C29.1 R23.2 | length 113.6
  Top Layer w8: R23.2@793.59,1595 R23.2 793,1611.59 C29.1
NetC31_1: C31.1 R24.2 | length 110.2
  Top Layer w8: R24.2 1535,1080.59 C31.1
NetC38_2: C38.2 R32.1 | length 65
  Top Layer w8: R32.1 C38.2
NetC40_1: C40.1 R33.2 | length 124.4
  Top Layer w8: R33.2 1529.41,1585.59 C40.1
NetC46_2: C46.2 R41.1 | length 65
  Top Layer w8: R41.1 C46.2
NetC48_1: C48.1 R42.2 | length 137.8
  Top Layer w8: R42.2 75,1105.58 75,1135 105,1165 C48.1
NetC54_2: C54.2 R47.1 | length 65
  Top Layer w8: R47.1 C54.2
NetC56_1: C56.1 R48.2 | length 129.4
  Top Layer w8: R48.2 119.41,649.99 C56.1
NetC62_2: C62.2 R53.1 | length 64.4
  Top Layer w8: R53.1@1355.29,635.29 1355.29,695 C62.2
NetC64_1: C64.1 R54.2 | length 105.2
  Top Layer w8: R54.2 819.41,589.99 C64.1
NetC70_2: C70.2 R59.1 | length 65.2
  Top Layer w8: C70.2 2111.18,689.4 R59.1
NetC72_1: C72.1 R60.2 | length 117.6
  Top Layer w8: R60.2 1618.82,628.81 C72.1
SGND: AD1.4 AD2.4 AD3.4 AD4.4 AD5.4 AD6.4 AD7.4 AD8.4 AD9.4 BA1.1 BA2.1 BA3.1 BA4.1 BA5.1 BA6.1 BA7.1 BA8.1 BA9.1 BA10.1 BA11.1 BA12.1 BA13.1 BA14.1 BA15.1 BA16.1 BA17.1 BA18.1 C1.1 C2.1 C4.1 C6.1 C12.1 C14.1 C16.1 C17.1 C18.1 C19.1 C21.1 C23.1 C28.1 C30.1 C32.1 C33.1 C34.1 C36.1 C39.1 C41.1 C42.1 C44.1 C47.1 C49.1 C50.1 C52.1 C55.1 C57.1 C58.1 C60.1 C63.1 C65.1 C66.1 C68.1 C71.1 C73.1 JP1.11 JP1.12 JP2.1 JP2.2 JP2.27 JP2.28 LM1.2 LM2.2 LM3.2 LM4.2 LM5.2 LM6.2 LM7.2 LM8.2 LM9.2 R1.1 R2.1 R3.1 R4.1 R13.1 R14.1 R15.1 R16.1 R25.1 R26.1 R34.1 R35.1 R43.1 R44.1 R49.1 R50.1 R55.1 R56.1
  other v1: 980,1300 1060,1300 1600,1885 1745,1885
SIGNAL_1: C10.1 C12.2 JP2.5 | length 432
  Top Layer w8: C10.1@558.82,1725.58 492,1725.58 487.4,1730.19 487.4,1750 490,1752.6 490,1782 501.5,1793.5 513,1805 568.82,1805 635,1871.18 JP2.5
SIGNAL_2: C13.2 C16.2 JP2.6 | length 772.4
  Top Layer w8: C13.2 195,1685 C16.2@257.6,1747.6 ; C16.2 257.6,1795 292.6,1830 550,1830 585,1865 585,2045 JP2.6
SIGNAL_3: C26.1 C28.2 JP2.16 | length 467.1
  Top Layer w8: JP2.16 1185,2045 1185,1915 1220,1880 1220,1762.4 C28.2 1222.4,1752.5 1249.9,1725 C26.1
SIGNAL_4: C29.2 C32.2 JP2.15 | length 404.9
  Top Layer w8: C29.2@917.59,1680.58 C32.2@997.3,1760.3 ; C32.2 C32.2@997.3,1760.3 ; JP2.15 997.3,1857.3 C32.2@997.3,1760.3
SIGNAL_5: C38.1 C39.2 JP2.24 | length 736.3
  Top Layer w8: JP2.24 1585,2045 1585,1980 1710,1855 1940,1855 1972.4,1822.6 C39.2 1972.4,1774.5 2011.9,1735 2048.82,1735 C38.1
SIGNAL_6: C40.2 C41.2 JP2.23 | length 433.5
  Top Layer w8: JP2.23 1536.38,1995 1730,1801.38 1730,1735.25 1665,1670.25 C40.2
SIGNAL_7: C46.1 C47.2 JP2.7 | length 1002.5
  Top Layer w8: C46.1 563.82,1205.58 563.23,1205 520.58,1205 492.4,1233.19 C47.2 492.4,1292.4 515,1315 610.59,1315 675,1379.41 675,1805 735,1865 JP2.7
SIGNAL_8: C48.2 C49.2 JP2.8 | length 1348.8
  Top Layer w8: C48.2@165.59,1160 174.41,1160 258.51,1244.09 258.51,1303.51 290,1335 585,1335 655,1405 655,1820 685,1850 685,2045 JP2.8
SIGNAL_9: C11.1 C14.2 JP2.18 | length 1118.3
  Top Layer w8: JP2.18 1285,2045 1285,1915 1410,1790 1410,1375 1342.4,1307.4 1272.4,1307.4 1250,1285 1250,1245.2 C14.2 1249.8,1237.5 1277.31,1210 C11.1
SIGNAL_10: C15.2 C17.2 JP2.17 | length 1267.6
  Top Layer w8: C15.2 935.1,1155 1017.6,1237.5 C17.2 1017.6,1300 1042.6,1325 1325,1325 1390,1390 1390,1775 1235,1930 JP2.17
SIGNAL_11: C27.1 C30.2 JP2.22 | length 1382.5
  Top Layer w8: JP2.22 1491,2039 1491,1421 1552,1360 1937.4,1360 1982.4,1315 C30.2 1982.4,1257.5 2014.9,1225 2054.41,1225 C27.1
SIGNAL_12: C31.2 C33.2 JP2.21 | length 1112.2
  Top Layer w8: JP2.21 1435,1847.63 1470,1812.63 1470,1415 1545,1340 1720,1340 1752.6,1307.4 C33.2 1752.6,1247.01 C31.2
signal_13: C54.1 C55.2 JP2.9 | length 1569.8
  Top Layer w8: C54.1 555.04,710.63 514.26,710.63 487.4,737.5 C55.2 490,747.6 490,788 507,805 649.41,805 715,870.59 715,1792.37 835,1912.37 JP2.9
signal_14: C56.2 C57.2 JP2.10 | length 1916.7
  Top Layer w8: C56.2 181.02,659.99 255,733.97 255,795 285,825 615,825 695,905 695,1795 785,1885 785,2045 JP2.10 JP2.10@840.01,2089.99
signal_15: C62.1 C63.2 JP2.12 | length 2004
  Top Layer w8: JP2.12 985,2045 985,1950 902.5,1867.5 842.5,1867.5 755,1780 755,895 815,835 1082.4,835 1135.4,782 1203,782 1222.4,762.6 C63.2 1222.4,723.5 1246.2,699.7 C62.1
signal_16: C64.2 C65.2 JP2.11 | length 1674.4
  Top Layer w8: C64.2@916.97,635 C64.2 926.59,646 927.97,646 992.6,710.63 C65.2 992.6,772.4 955,810 800,810 735,875 735,1785 935,1985 JP2.11
signal_17: C70.1 C71.2 JP2.20 | length 1953.6
  Top Layer w8: JP2.20 1385,2045 1385,1875 1450,1810 1450,935 1559,826 1943.8,826 1987.4,782.4 C71.2 1987.4,722.5 2019.9,690 C70.1
signal_18: C72.2 C73.2 JP2.19 | length 1660.2
  Top Layer w8: JP2.19 1335,1895 1430,1800 1430,927.41 1547.41,810 1715,810 1742.6,782.4 C73.2 1742.6,705.63 1682.97,646 1681,646 C72.2 C72.2@1671.97,635
pads on no net: LM1.3 LM2.3 LM3.3 LM4.3 LM5.3 LM6.3 LM7.3 LM8.3 LM9.3

## Polygon pours and split planes (outlines as drawn)
SGND on Top Layer "Top Layer-SGND" (solid, remove dead copper, pour order 0): 0,2150 0,5 2125,5 2145,25 2145,2150
SGND on Bottom Layer "Bottom Layer-SGND 1" (solid, remove dead copper, pour order 6): 1075,1315 960,1315 960,1285 1075,1285
SGND on Bottom Layer "Bottom Layer-SGND" (solid, remove dead copper, pour order 4): 1770,1905 1770,1865 1580,1865 1580,1905

## Silkscreen, mask and mechanical layers (free items; w line width, h text height)
Top Overlay:
  text "破浪   运放板" at 94.18,220 h100
Bottom Overlay:
  text "By   子晰" at 1970,260 h100
  text "2020.7.29" at 1990,164.09 h100
Mechanical 1:
  lines w10: 0,1742.01 cw(c412.16,1742.84) 411.33,2155 ; 0,1742.84 0,418.21 ccw(c418.21,418.21) 418.21,0 1722.52,0 ccw(c1722.52,417.48) 2140,417.48 2140,1736.79 ccw(c1721.79,1736.79) 1721.79,2155 412.16,2155